# Altium PCB BPBE Module.PcbDoc
Units mil, origin at the board's own origin, x right, y up, seen from the top; angles counter-clockwise.
Board outline 2500 x 2000 mil, 2 copper layers (Top Layer, Bottom Layer); 90 components, 62 nets, 270 pads, 57 vias.
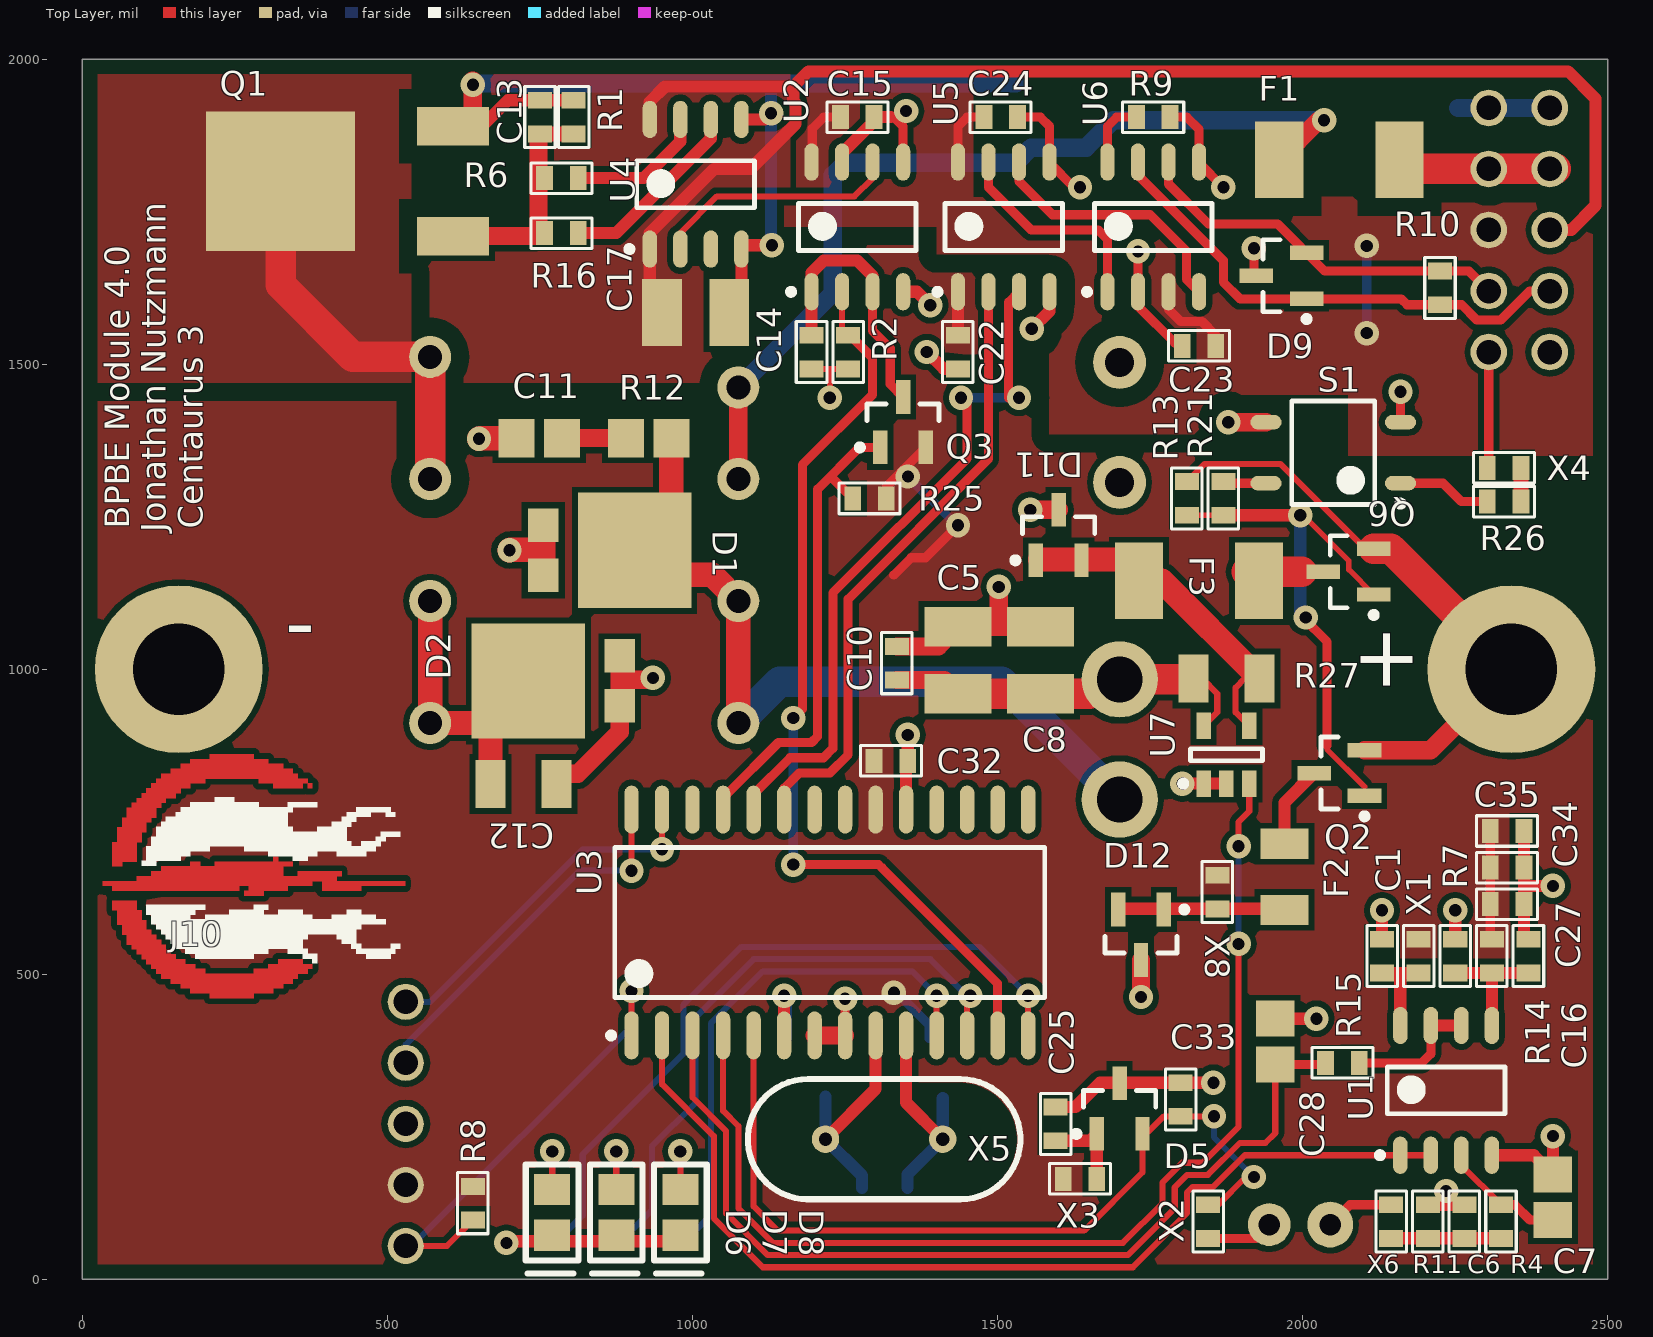
[diagram p0: Top Layer view]
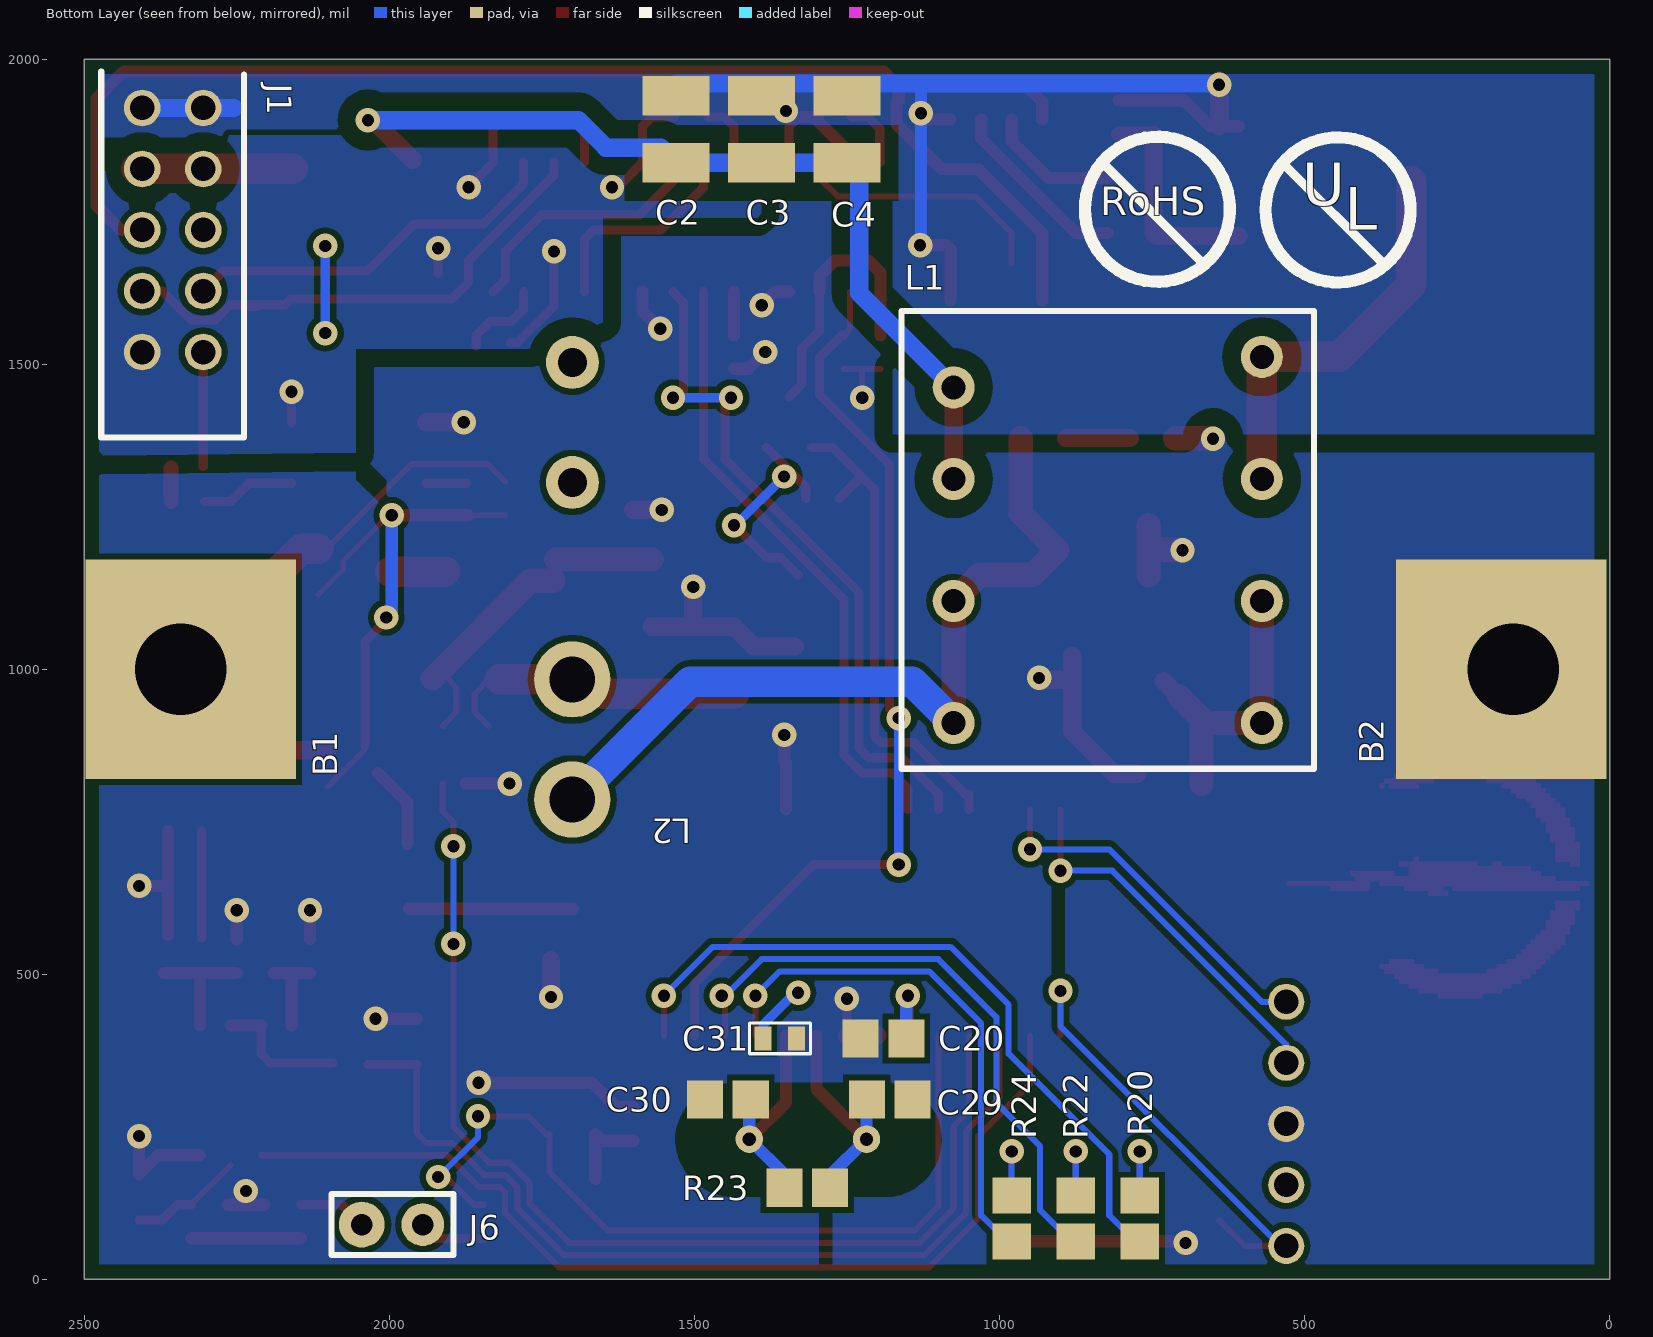
[diagram p1: Bottom Layer view, seen from below]
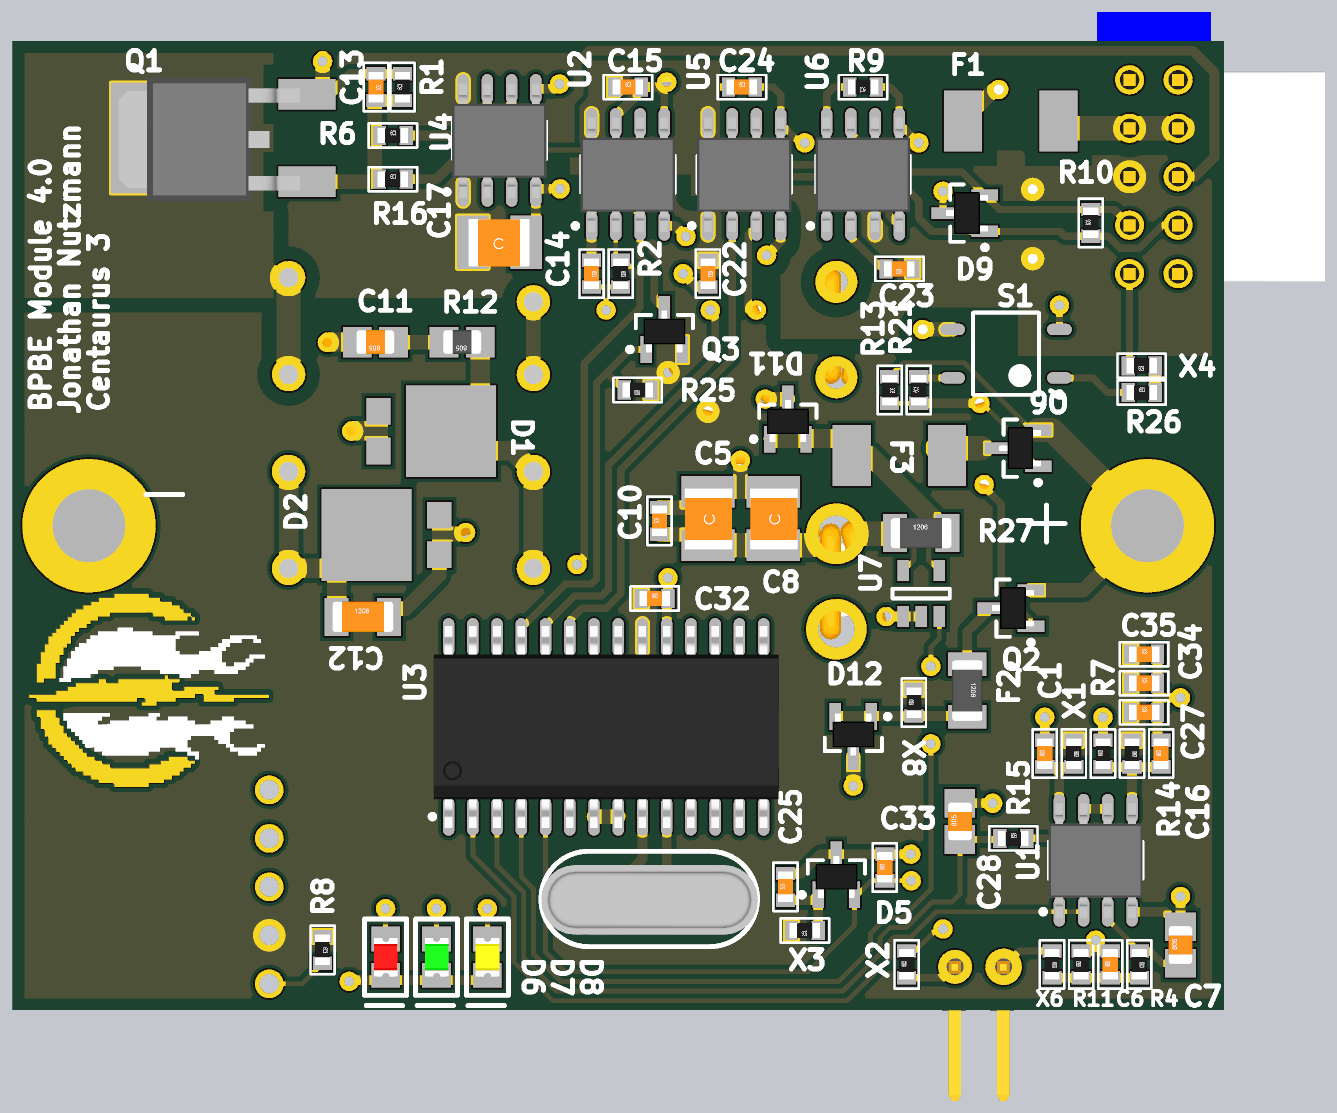
[diagram p2: 3D render of the assembled board from above, using the file's embedded part models]
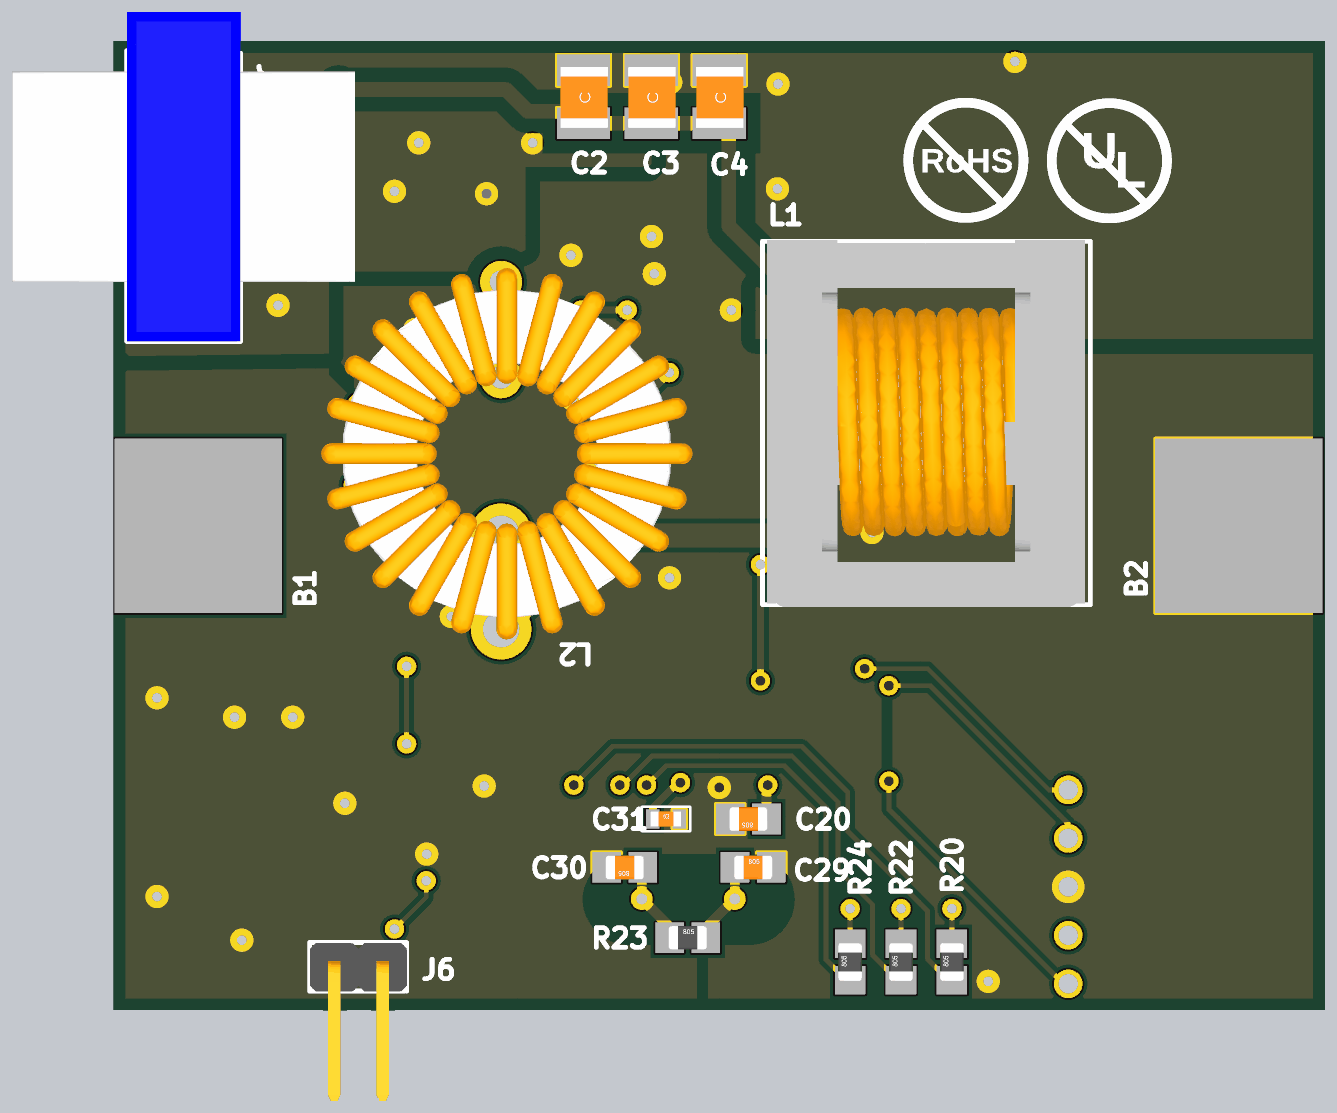
[diagram p3: 3D render of the assembled board from below, using the file's embedded part models]

## Layer stack, top to bottom
Top Layer: signal copper 1.4
Dielectric: dielectric 12.6, FR-4, Dk 4.8
Bottom Layer: signal copper 1.4

## Board outline
0,0 0,2000 2500,2000 2500,0

## Design rules (kind name [scope] priority, off if disabled: settings)
Clearance HV [InNetClass('HV') OR InNet('Vds') vs NOT InNetClass('HV')] p1: gap=30
Clearance "Bus Potential" [InNetClass('BUS_POTENTIAL') vs NOT InNetClass('BUS_POTENTIAL')] p2: gap=30
Clearance Clearance_1 [All] p3: gap=10
Clearance Module [InComponent('HW1')] p4: gap=0
ComponentClearance [All] p1 off: gap=10 collisioncheckmode=3 verticalgap=10 showdistances=FALSE
FabricationTestpoint [(IsPad And (OnTopLayer Or OnBottomLayer))] p1: side=3 testpointundercomponent=TRUE minsize=40 maxsize=100 preferedsize=60 minholesize=0 maxholesize=40 preferedholesize=32 testpointgrid=1 allowsidetop=TRUE allowsidebottom=TRUE usegrid=TRUE gridtolerance=0.01
Height [All] p1 off: minheight=0 maxheight=1000 prefheight=500
HoleSize [All] p1: absolutevalues=TRUE maxlimit=1000 minlimit=1 maxpercent=80.000 minpercent=20.000
MinimumSolderMaskSliver [All] p1 off: minsoldermaskwidth=5
PolygonConnect "poly direct connect" [(InNet('EQ_IN') OR InNet('GND'))] p1: connectstyle=Direct reliefconductorwidth=10 reliefentries=4 polygonreliefangle="90 Angle"
PolygonConnect [All] p2: connectstyle=Direct reliefconductorwidth=15 reliefentries=4 polygonreliefangle="90 Angle"
RoutingVias [All] p1: holewidth=20 width=40 viastyle="Through Hole" minholewidth=20 minwidth=40 maxholewidth=60 maxwidth=75
SilkToSilkClearance [All] p1 off: silktosilkclearance=0
SilkscreenOverComponentPads [All] p1: minsilkscreentomaskgap=2
SolderMaskExpansion [All] p1: expansion=4
Width [All] p1: maxlimit=1000 minlimit=8 preferedwidth=15
21 further rules are at their usual default settings.

## Classes and differential pairs
net class BUS_POTENTIAL: +3.3B +12B +BATT BGND LCANH LCANL MODULEEN NC1 NetC2_1 NetC13_2 NetR6_2 NetR9_2 NetR16_2 NetR26_1 NetR26_2 NetU2_6 NetU4_3 NetU5_6 NetU5_7 PGND VDS
net class HV: +BATT NetC2_1 VDS

## Components (designator, comment, footprint, x,y, rotation, side; value= is the part's Value field where it differs from the comment)
B1 "J_C3_BATTERY_PAD" BatteryPad#1 2325,1000 r0 top
B2 "J_C3_BATTERY_PAD" BatteryPad#2 178,750 r0 top
C1 "CAP 0603" 0603_CAP 2130,530 r90 top
C2 "CAP 1210" 1210_Capacitor 1390,1885 r90 bottom
C3 "CAP CER 0.22UF 250V 20% X7R 1210" 1210_Capacitor 1530,1885 r90 bottom
C4 "CAP 1210" 1210_Capacitor 1250,1885 r90 bottom
C5 "CAP 1210" 1210_Capacitor 1435,1015 r90 top
C6 "CAP 0603" 0603_CAP 2265,95 r90 top
C7 "CAP 0805" 0805_Capacitor 2410,135 r90 top
C8 "CAP 1210" 1210_Capacitor 1570,1015 r90 top
C10 "CAP 0603" 0603_CAP 1335,1010 r90 top
C11 "CAP 1000pF" 0805_Capacitor 749,1379 r180 top
C12 "CAP 1206" 1206_CAPACITOR 723,812 r0 top
C13 "CAP 0603" 0603_CAP 750,1905 r270 top
C14 "CAP 0603" 0603_cap 1195,1520 r270 top
C15 "CAP 0603" 0603_cap 1270,1905 r0 top
C16 "CAP 0603" 0603_CAP 2370,530 r90 top
C17 "CAP 1210" 1210_Capacitor 1005,1585 r0 top
C20 "CAP 0805" 0805_Capacitor 1190,395 r0 bottom
C22 "CAP 0603" 0603_CAP 1435,1520 r270 top
C23 "CAP 0603" 0603_CAP 1830,1530 r180 top
C24 "CAP 0603" 0603_CAP 1505,1905 r0 top
C25 "CAP 0603" 0603_CAP 1595,255 r90 top
C27 "CAP 0603" 0603_CAP 2335,615 r0 top
C28 "CAP 0805" 0805_Capacitor 1955,390 r90 top
C29 "CAP 0805" 0805_Capacitor 1180,295 r180 bottom
C30 "CAP 0805" 0805_Capacitor 1445,295 r0 bottom
C31 "CAP 0603" 0603_CAP 1360,395 r180 bottom
C32 "CAP 0603" 0603_CAP 1325,850 r0 top
C33 "CAP 0603" 0603_CAP 1800,295 r90 top
C34 "CAP 0603" 0603_CAP 2335,675 r0 top
C35 "CAP 0603" 0603_CAP 2335,735 r0 top
D1 "UPS1040E3/TR13" TO-277 905,1195 r270 top
D2 "UPS1040E3/TR13" TO-277 731,981 r90 top
D5 "IC LDO V-REF 2.048V SOT23-3" SOT-23 1700,280 r90 top
D6 "D_LED_0805_RED" 0805P_RED 770,110 r90 top
D7 "D_LED_0805_GREEN" 0805P_Green 875,110 r90 top
D8 "D_LED_0805_YELLOW" 0805P_YELLOW 980,110 r90 top
D9 "CAN TVS" SOT-23 1965,1645 r180 top
D11 "MMBZ6V8AL,215" SOT-23 1600,1220 r90 top
D12 "MMBZ6V8AL,215" SOT-23 1735,565 r270 top
F1 "F_SSQ 12" 2410 2060,1835 r180 top
F2 "250 mA" 1206_RESISTOR 1970,660 r270 top
F3 "F_SSQ 10" 2410 1830,1145 r0 top
J1 "J_5x2_0.1" 10PIN_2_.100IN 2305,1920 r270 bottom
J6 "J_Thermistor_Connector" SIP_HEADER_2 1995,90 r270 bottom
J10 "J_PICKIT2_5" "CONN FEMALE 5POS .100\" R/A GOLD" 530,55 r180 top
L1 "L_PCB1808B1" PCB1808B1 1075,912 r180 bottom
L2 "L_MagInc_55120A2" Magnetics_55120A2 1700,885 r90 bottom
Q1 "IPD600N25N3 G" "DPAK - JN" 325,1800 r0 top
Q2 "IRLML2246TRPBF" SOT-23 2060,830 r180 top
Q3 "IRLML2246TRPBF" SOT-23 1345,1405 r90 top
Q6 "Q_AO3401A" SOT-23 2075,1160 r180 top
R1 "RES 0603" 0603_RES 805,1905 r90 top
R2 "RES 0603" 0603_res 1255,1520 r270 top
R4 "RES 0603" 0603_RES 2325,95 r270 top
R6 "RES 0603" 0603_res 785,1805 r0 top
R7 "RES 0603" 0603_RES 2250,530 r90 top
R8 "RES 0603" 0603_RES 640,125 r270 top
R9 "RES 0603" 0603_RES 1755,1905 r180 top
R10 "RES 0603" 0603_RES 2225,1625 r90 top
R11 "RES 0603" 0603_RES 2205,95 r90 top
R12 "RES 0805" 0805_Resistor 928,1379 r180 top
R13 "RES 0603" 0603_RES 1810,1280 r270 top
R14 "RES 0603" 0603_RES 2310,530 r270 top
R15 "RES 0603" 0603_RES 2065,355 r0 top
R16 "RES 0603" 0603_res 785,1715 r0 top
R20 "R_0805_620_1%" 0805_Resistor 770,100 r90 bottom
R21 "RES 0603" 0603_RES 1870,1280 r90 top
R22 "R_0805_620_1%" 0805_Resistor 875,100 r90 bottom
R23 "RES 0805" 0805_Resistor 1315,150 r180 bottom
R24 "R_0805_620_1%" 0805_Resistor 980,100 r90 bottom
R25 "RES 0603" 0603_RES 1290,1280 r180 top
R26 "RES 0603" 0603_RES 2330,1275 r0 top
R27 "R_0805_0.01_1%" 1206_Resistor 1875,985 r0 top
S1 "CPC1017NTR" CPC1017NTR 2050,1355 r180 top
U1 "IC OP AMP" SOIC127P600X175-8N 2235,310 r90 top
U2 "U_SI8610EC" SOIC127P600X175-8N 1270,1725 r90 top
U3 "PIC18F25K80" SOIC127P1030X265-28N 1225,585 r90 top
U4 "TC4422AVOA" SOIC127P600X175-8N 1005,1795 r90 top
U5 "U_SI8621EC" SOIC127P600X175-8N 1510,1725 r90 top
U6 "U_MAX3051" SOIC127P600X175-8N 1755,1725 r90 top
U7 "U_ MAX9938F" SOT95P280X145-5N 1875,860 r90 top
X1 "0603" 0603_RES 2190,530 r270 top
X2 "0603" 0603_RES 1845,95 r90 top
X3 "0603" 0603_RES 1635,165 r180 top
X4 "0603" 0603_RES 2330,1330 r180 top
X5 "HC49" HC-49 1410,230 r180 top
X6 "0603" 0603_RES 2145,95 r270 top
X8 "0603" 0603_RES 1860,635 r90 top

## Footprints (in the part's own frame and the unit in brackets; to place one, negate y for a bottom-side part, rotate by r counter-clockwise, add the part's x,y. Pads: shape width x height; smd on the part's side, far side on the other; paste and mask are expansions set on the pad)
10PIN_2_.100IN [mil]
  round 60 hole 40.16: 1(0,0) 2(0,-100) 3(100,0) 4(100,-100) 5(200,0) 6(200,-100) 7(300,0) 8(300,-100) 9(400,0) 10(400,-100)
  silkscreen extent -60,-167 540,67, body extent -140,-403 540,303, height 513
0603_CAP [mm]
  rect 0.7x1 smd: 1(-0.7,0) 2(0.7,0)
  silkscreen extent -1.27,-0.64 1.27,0.64, body extent -0.8,-0.4 0.8,0.4, height 0.3
0603_cap [mm]
  rect 0.7x1 smd: 1(-0.7,0) 2(0.7,0)
  silkscreen extent -1.27,-0.64 1.27,0.64, body extent -0.8,-0.4 0.8,0.4, height 0.3
0603_RES [mm]
  rect 0.7x1 smd: 1(-0.7,0) 2(0.7,0)
  silkscreen extent -1.27,-0.64 1.27,0.64, body extent -0.8,-0.4 0.8,0.4, height 0.3
0603_res [mm]
  rect 0.7x1 smd: 1(-0.7,0) 2(0.7,0)
  silkscreen extent -1.27,-0.64 1.27,0.64, body extent -0.8,-0.4 0.8,0.4, height 0.3
0805_Capacitor [mm] "0805 Capacitor"
  rect 1.5x1.6 smd: 1(-0.95,0) 2(0.95,0)
  body extent -1,-0.63 1,0.62, height 0.76
0805_Resistor [mm] "0805 Resistor"
  rect 1.5x1.6 smd: 1(-0.95,0) 2(0.95,0)
  body extent -1,-0.62 1,0.63, height 0.78
0805P_Green [mm] "Chip Capacitor; Body 2.0 x 1.2 mm (LxW typ)"
  rect 1.3x1.5 smd: 1(-0.95,0) 2(0.95,0)
  silkscreen extent -2.54,-1.1 2,1.1, body extent -1.02,-0.64 0.99,0.61, height 0.79
0805P_RED [mm] "Chip Capacitor; Body 2.0 x 1.2 mm (LxW typ)"
  rect 1.3x1.5 smd: 1(-0.95,0) 2(0.95,0)
  silkscreen extent -2.54,-1.1 2,1.1, body extent -1.02,-0.64 0.99,0.61, height 0.79
0805P_YELLOW [mm] "Chip Capacitor; Body 2.0 x 1.2 mm (LxW typ)"
  rect 1.3x1.5 smd: 1(-0.95,0) 2(0.95,0)
  silkscreen extent -2.54,-1.1 2,1.1, body extent -1.02,-0.64 0.99,0.61, height 0.79
1206_CAPACITOR [mm] "1206 Resistor/Capacitor"
  rect 1.25x2 smd: 1(-1.375,0) 2(1.375,0)
  body extent -1.6,-0.8 1.6,0.8, height 1
1206_RESISTOR [mm] "1206 Resistor/Capacitor"
  rect 1.25x2 smd: 1(-1.375,0) 2(1.375,0)
  body extent -1.6,-0.8 1.6,0.8, height 1
1206_Resistor [mm] "1206 Resistor/Capacitor"
  rect 1.25x2 smd: 1(-1.375,0) 2(1.375,0)
  body extent -1.6,-0.8 1.6,0.8, height 1
1210_Capacitor [mil] "1210 Capacitor"
  rect 65x110 smd: 1(-55,0) 2(55,0)
  body extent -84,-54 82,52, height 36
2410 [mm]
  rect 2x3.18 smd: 1(-2.5,0) 2(2.5,0)
BatteryPad#1 [mil]
  rect 345x360 smd far side: 1(0,0)
BatteryPad#2 [mil]
  rect 345x360 smd far side: 1(0,250)
"CONN FEMALE 5POS .100\" R/A GOLD" [mm] "PICKIT2 Programmer Header"
  round 1.5 hole 1.02: +5(0,-2.54) GND(0,-5.08) PGC(0,-10.16) PGD(0,-7.62) RST(0,0)
  body extent 1.6,-11.7 10.1,1.5, height 2.54
CPC1017NTR [mm] "SOP, 4-Leads, Body 4.3x3.9mm (max), Pitch 2.54mm, IPC Medium Density"
  oval 1.3x0.6 smd: 1(-2.8,1.27) 2(-2.8,-1.27) 3(2.8,-1.27) 4(2.8,1.27)
  silkscreen extent -2.93,-2.15 1.73,2.24, body extent -1.94,-2.14 1.94,2.14, height 2.18
"DPAK - JN" [mm]
  rect 3x1.6 smd: 1(7.18,-2.285) 3(7.18,2.285)
  rect 6.2x5.8 smd: 2(0,0)
  body extent -2.69,-3.33 6.81,3.17, height 2.3
HC-49 [mil]
  round 45 hole 22: 1(0,0) 2(192.13,0)
  Top Layer pour cut-out: -102,59 -94,68 -88,73 -78,81 -68,86 -57,91 -42,94 -31,95 227,95 243,92 259,87 272,80 285,70 299,54 309,36 314,21 316,5 316,-7 313,-22 306,-39 298,-53 283,-70 270,-79 251,-88 237,-91 220,-93 -27,-93 -40,-92 -50,-90 -59.13,-87.26 -69,-83 -79,-78 -87,-72 -96,-63 -104,-53 -113,-40 -118,-26 -121,-11 -122,1 -121,13 -119,23 -116,35 -111,44 -107,51
  Bottom Layer pour cut-out: 296,59 288,68 282,73 272,81 262,86 251,91 236,94 225,95 -33,95 -49,92 -65,87 -78,80 -91,70 -105,54 -115,36 -120,21 -122,5 -122,-7 -119,-22 -112,-39 -104,-53 -89,-70 -76,-79 -57,-88 -43,-91 -26,-93 221,-93 234,-92 244,-90 253.13,-87.26 263,-83 273,-78 281,-72 290,-63 298,-53 307,-40 312,-26 315,-11 316,1 315,13 313,23 310,35 305,44 301,51
  silkscreen extent -127,-98 319,98, body extent -128,-70 319,74, height 130
Magnetics_55120A2 [mm]
  round 2.2 hole 1.2: 0(10.7,0) 0(15.7,0)
  round 3.175 hole 1.905: 1(-2.5,0) 2(2.5,0)
  body extent -3.03,-10.03 16.43,9.43, height 9.51
PCB1808B1 [mm]
  round 1.75 hole 1: 1(0,13.97) 2(0,10.16) 3(0,5.08) 4(0,0) 5(12.83,0) 6(12.83,5.08) 7(12.83,10.16) 8(12.83,15.24)
  silkscreen extent -2.17,-1.91 15,17.14, body extent -1.93,-2.04 14.73,17.2, height 15.89
SIP_HEADER_2 [mil] "2 Pin SIP Header"
  round 70 hole 35: 1(0,50)
  round 75 hole 35: 2(0,-50)
  silkscreen extent -50,-100 50,100, body extent -49,-99 277,101, height 170
SOIC127P600X175-8N [mm] "SOIC, 8-Leads, Body 4.9x3.9mm (max), Pitch 1.27mm, IPC Medium Density"
  oval 1.55x0.6 smd: 1(-2.7,1.905) 2(-2.7,0.635) 3(-2.7,-0.635) 4(-2.7,-1.905) 5(2.7,-1.905) 6(2.7,-0.635) 7(2.7,0.635) 8(2.7,1.905)
  silkscreen extent -2.82,-2.45 0.97,2.88, body extent -3.02,-2.46 2.98,2.48, height 1.55
SOIC127P1030X265-28N [mm] "SOIC, 28-Leads, Body 17.9x7.5mm (max), Pitch 1.27mm, IPC Medium Density"
  oval 2x0.6 smd: 1(-4.7,8.255) 2(-4.7,6.985) 3(-4.7,5.715) 4(-4.7,4.445) 5(-4.7,3.175) 6(-4.7,1.905) 7(-4.7,0.635) 8(-4.7,-0.635) 9(-4.7,-1.905) 10(-4.7,-3.175) 11(-4.7,-4.445) 12(-4.7,-5.715) 13(-4.7,-6.985) 14(-4.7,-8.255) 15(4.7,-8.255) 16(4.7,-6.985) 17(4.7,-5.715) 18(4.7,-4.445) 19(4.7,-3.175) 20(4.7,-1.905) 21(4.7,-0.635) 22(4.7,0.635) 23(4.7,1.905) 24(4.7,3.175) 25(4.7,4.445) 26(4.7,5.715) 27(4.7,6.985) 28(4.7,8.255)
  silkscreen extent -4.82,-8.95 3.13,9.23, body extent -5.3,-9.05 5.3,9.05, height 2.57
SOT95P280X145-5N [mm] "SOT23, 5-Leads, Body 3.0x3.0mm (max), Pitch 0.95mm, IPC Medium Density"
  rect 1.1x0.6 smd: 1(-1.2,0.95) 2(-1.2,0) 3(-1.2,-0.95) 4(1.2,-0.95) 5(1.2,0.95)
  silkscreen extent -1.32,-1.5 0.25,1.92, body extent -0.87,-1.5 0.87,1.5, height 1.45
SOT-23 [mm] "SOT23, 3-Leads, Body 3.0x2.7mm (max), Pitch 0.95mm, IPC Medium Density"
  rect 1.4x0.6 smd: 1(-1.05,0.95) 2(-1.05,-0.95) 3(1.05,0)
  silkscreen extent -1.17,-1.5 0.76,1.92, body extent -1.21,-1.1 0.99,1.1, height 1.1
TO-277 [mm]
  rect 1.4x1.27 smd: 1(1.04,-3.805) 2(-1.04,-3.805)
  rect 4.8x4.72 smd: K(0,0)

## Part data
C1 C6 C10 C14 C15 C16 C22 C23 C24 C31 C32 C33 C34 C35: library part C_0603, "CAP CER 0.1UF 50V 10% X7R 0603"
C2 C4: library part C_1210, "CAP CER 0.22UF 250V 20% X7R 1210"
C3: library part C_1210
C5 C8: library part C_1210, "CAP CER 22UF 10V 10% X7R 1210"
C7 C20 C28: library part C_0805, "CAP CER 10UF 10V 10% X5R 0805"
C11: library part C_0805_1000pF, "CAP CER 1000PF 50V 10% NP0 0805"
C12: library part C_1206, "CAP CERM 1206"
C13: library part C_0603, "CAP CER 10000PF 50V 10% X7R 0603"
C17: library part C_1210, "CAP CER 10UF 16V 10% X5R 1210"
C25 C27: library part C_0603, "CAP CER 1UF 16V 10% X7R 0603"
C29 C30: library part C_0805, "CAP CER 22PF 50V 5% NP0 0805"
D1 D2: library part D_UPS1040E3/TR13, "DIODE SCHOTTKY 10A 40V PWRMITE3"
D5: library part D_REF3320AIDBZT
D6: "LED 2X1.2MM 625NM RD WTR CLR SMD 0805"
D7: "LED 2X1.2MM 568NM GN WTR CLR SMD 0805"
D8: "LED 2X1.2MM 588NM YW WTR CLR SMD 0805"
D9: library part D_NUP2105, "IC CAN BUS PROTECTOR DUAL SOT23"
D11 D12: library part D_MMBZ6V8AL,215, "DIODE ESD PROT DBL 4.5V SOT23"
F1: "FUSE 2.5A 125V FAST 2410"
F2: library part F_250mA_1206, "FUSE 250MA 125V 1206 FAST C1Q"
F3: library part "F_SSQ 12", "FUSE 10A 125V 6125 FAST SSQ"
J1: "5 x 2 0.1\" Header"
J6: "Thermistor Connector"
J10: "PICKIT2 PROG HEADER"
L1: "10:1 Custom Transformer"
L2: "55120A2"
Q1: library part "Q_IPD600N25N3 G", "MOSFET N-CH 250V 25A TO252-3"
Q2 Q3: library part Q_FDN302P, "MOSFET P-CH 20V 2.6A SOT23"
Q6: "MOSFET P-CH -30V -4.3A SOT23"
R1 R2: library part R_0603, "RESISTOR, 1/10W, 30K, 1%, 0603"
R4 R8 R9 R15: library part R_0603, "RESISTOR, 1/10W, 10K, 1%, 0603"
R6 R16: library part R_0603, "RESISTOR, 1/10W, 1, 1%, 0603"
R7: library part R_0603, "RESISTOR, 1/10W, 200K, 0.1%, 0603"
R10: library part R_0603, "RESISTOR, 1/10W, 3.3K, 1%, 0603"
R11: library part R_0603, "RESISTOR, 1/10W, 8.2K, 1%, 0603"
R12: library part R_0805, "RESISTOR, 1/8W, 47, 1%, 0805"
R13: library part R_0603, "RESISTOR, 1/10W, 500K, 1%, 0603"
R14: library part R_0603, "RESISTOR, 1/10W, 240K, 0.1%, 0603"
R20 R22 R24: "RESISTOR, 1/8W, 620, 1%, 0805"
R21: library part R_0603, "RESISTOR, 1/10W, 1K, 1%, 0603"
R23: library part R_0805, "RESISTOR, 1/8W, 1M, 1%, 0805"
R25: library part R_0603, "RESISTOR, 1/10W, 100K, 1%, 0603"
R26: library part R_0603, "RESISTOR, 1/10W, 80, 1%, 0603"
R27: "RES CURRENT SENSE .010 OHM 1W 1%"
S1: library part U_CPC1017NTR, "PHOTOCPLR RELAY MOSFET-OUT 4-SOP"
U1: library part U_MCP6042T-I/SN, "IC OPAMP 1UA 1.4V DUAL R-R 8SOIC"
U2: "IC ISOLATOR 1CH 3.75KV 8-SOIC"
U3: library part U_PIC18F25K80, "MCU PIC 32KB FLASH 28SOIC"
U4: library part U_TC4422AVOA, "IC MOSFET DVR 9A NON-INV 8SOIC"
U5: "IC ISOLATOR 2CH 3.75KV 8SOIC"
U6: "IC TXRX CAN 1MBPS 8-SOIC 3.3V"
U7: "IC AMP CURRENT SENSE SOT23-5"
X1 X2 X3 X4 X6 X8: library part X_0603_FERRITE, "FERRITE CHIP 2A 300 OHM SMD"
X5: library part X_HC49, "CRYSTAL 8.00 MHZ 20PF 49US"

## Free pads (board coordinates)
  round 275 hole 150: 0(157.99,1000) 1(2342.01,1000)

## Via types
v1: diameter 40, hole 20, Top Layer to Bottom Layer, 57 vias

## Nets (pads, with @x,y where several pads share a name; then routed paths per layer and width w, separated by ;. In a path a pad name is that pad's centre, name@x,y a point inside that pad or via, vN(x,y) a via of type N, cw(c..) or ccw(c..) an arc to the next point about the centre after c; other vN are vias at no path point)
+2.048: C33.1 D5.2 U3.5 X2.2 | length 1391.1
  Top Layer w10: U3.5 1100,119.85 1139.85,80 1641.72,80 1737.4,175.69 D5.2 1743.66,238.66 1772.44,267.44 C33.1 v1(1854.56,267.44) ; X2.2 1861.56,122.56 1907,168 v1(1920,168) v1@1920,173
  Bottom Layer w10: v1(1854.56,267.44) 1854.56,233.44 v1(1920,168)
+3.3B: C15.1 C23.1 C24.1 J1.5 U2.8 U5.8 U6.3 | length 502.1
  Top Layer w15: U2.8 1196.2,1832.5 1196.2,1886.2 1215,1905 C15.1 ; U5.8 1435,1890 1450,1905 C24.1 ; U6.3 1780,1590 1800,1570 1835,1570 1857.56,1547.44 C23.1 ; v1@2105,1693 v1(2105,1694)
  Bottom Layer w15: v1(2105,1551) v1(2105,1694)
+12B: C17.1 J1.6 U4.1 U4.8 | length 2370.2
  Top Layer w20: C17.1@930,1605 U4.1 930,1715 1035,1820 1095,1820 1168.7,1893.7 1168.7,1927.87 1165,1931.57 1165,1955 ; U4.8 930,1930 955,1955 1165,1955 ; J1.6 2440,1720 2480,1760 2480,1935 2435,1980 1190,1980 1165,1955
+BATT: F1.1 J1.3 J1.4 | length 271.6
  Top Layer w50: F1.1@2158.43,1820 J1.3@2330,1820 ; J1.3@2315,1820 J1.4@2415,1820
BGND: C23.2 C24.2 D9.3 J1.10 R9.1 S1.2 U5.5 U6.2 U6.5 | length 619.6
  Top Layer w15: C24.2 1570,1905 1585,1890 U5.5 1585,1830 v1@1625,1790 ; v1(1730,1685) U6.2 1730,1595 1790,1535 C23.2@1802.44,1535 ; R9.1 1810,1905 1830,1885 U6.5 ; U6.5@1830,1830 v1(1870,1790) ; D9.3@1920,1648.66 v1(1920,1690) ; S1.2 v1(2160.24,1454.76)
  other v1: 1635,1790
CELLT: U1.1 U1.2 U3.2 | length 1639.2
  Top Layer w10: U3.2 950,320 1035,235 1035,100 1115,20 1721.57,20 1810.31,108.75 1810.31,142.55 1819.1,151.34 1852.91,151.34 1905.27,203.7 U1.1 U1.2
CELLV: C28.1 R15.1 U3.3 | length 1538
  Top Layer w10: U3.3 1000,298.28 1055,243.28 1055,108.28 1123.28,40 1713.28,40 1790.31,117.03 1790.31,150.84 1810.82,171.34 1844.62,171.34 1896.99,223.7 1938.7,223.7 1955,240 C28.1
  Top Layer w15: C28.1 R15.1@2035.04,352.6
EQ_IN: C5.1 C8.1 C10.1 L2.2 R27.1 U7.5 | length 614.8
  Top Layer w10: R27.1 1835,985 1860,960 1860,929.65 U7.5
  Top Layer w30: C10.1 1412.56,982.44 C5.1
  Top Layer w50: C5.1 C8.1 1650,960 1673.43,983.43 L2.2 R27.1@1819.29,983.43
EQ_PWM: R2.1 U2.2 U3.13 | length 1508.8
  Top Layer w10: U2.2 1245,1557.56 R2.1
  Top Layer w15: v1(1165,680) 1305,680 ; v1(1165,920) 1180,935 1180,1335 1295,1450 1295,1510.65 1258.1,1547.56 R2.1 ; 1310,675 1500,485 U3.13
  Bottom Layer w15: v1(1165,680) v1(1165,920)
EQL_CURR: U3.4 U7.3 | length 1805.6
  Top Layer w10: U3.4 1050,276.57 1075,251.57 1075,116.57 1131.57,60 1705,60 1770.31,125.31 1770.31,159.12 1802.53,191.34 1836.34,191.34 1895,250 v1(1895,550) ; v1(1895,710) 1895,750 1912.4,767.4 U7.3
  Bottom Layer w10: v1(1895,550) v1(1895,710)
GND: B2.1 C1.2 C5.2 C6.2 C7.2 C8.2 C10.2 C11.2 C12.2 C14.2 C16.2 C20.2 C22.2 C25.2 C27.2 C28.2 C29.2 C30.2 C31.2 C32.2 C33.2 C34.2 C35.2 D1.1 D1.2 D2.1 D2.2 D5.3 D6.1 D7.1 D8.1 D11.3 D12.3 J10.GND pad.0 R2.2 R7.2 R11.2 S1.3 U1.4 U2.4 U3.7 U3.8 U3.19 U5.4 U7.1 U7.2 | length 2722
  Top Layer w10: C14.2 1225,1492.44 ; v1@1225,1450 1225,1492.44 ; R2.2 1225,1492.44
  Top Layer w15: U3.8 v1(1250,460)
  Top Layer w20: v1(695,60) 697.6,62.6 D8.1@980,62.6 ; U2.4 1367.7,1618.7 v1(1389.7,1596.7) ; U3.19 C32.2@1350,847.44 ; C32.2 v1(1352.56,892.56) ; v1(1384,1520) 1411.56,1492.44 C22.2 ; v1(1556,1558) 1585,1587 U5.4 ; C25.2@1600,282.56 1627.56,282.56 1667.56,322.56 C33.2 v1@1842.56,322.56 ; v1(1802.76,812.76) U7.1 U7.2 ; C28.2 v1(2022.4,427.4) ; C1.2 v1@2130,600 ; R11.2 C6.2 ; R7.2 v1@2250,600 ; U1.4 2378.7,203.7 C7.2 v1@2410,230 ; C16.2@2362.56,565 C27.2 2362.56,645 ; C35.2 C34.2 2362.56,645 ; v1@2405,645 2362.56,645
  Top Layer w30: C12.2@774,829 812,829 880.8,897.8 D2.2 880.8,983 ; D2.1 880.8,983 ; v1(935,986) 932,983 880.8,983 ; U3.7 U3.8 ; C10.2 1402.56,1037.56 C5.2 1502,1070 ; v1(1502,1135) 1502,1070 ; v1@1557.34,1261.34 D11.3 ; C8.2 1502,1070 ; v1@1735,468 D12.3 ; v1(1878,1405) S1.3
  Top Layer w40: v1(650,1378) 651,1379 C11.2 ; v1(700,1195) 701,1196 755.2,1196 ; D1.1 755.2,1196 ; D1.2 755.2,1196
  other v1: 2235,145 2410,235 1853.56,322.56 1735,463 2130,605 2250,605 2410,645 1553.34,1261.34 1225,1445
ISO_VCC_EQL_ON: Q3.1 R25.2 U3.25 | length 805.8
  Top Layer w15: U3.25 1050,795.36 1056.3,795.36 1140.95,880 1195,880 1205,890 1205,1295 1273.66,1363.66 Q3.1 ; 1226.88,1315.56 R25.2
LCANH: D9.1 J1.8 R10.1 U6.7 | length 850.1
  Top Layer w15: U6.7 1730,1810 1870,1670 1870,1634.54 1897.54,1607 2161.5,1607 2171.06,1597.44 R10.1 2260.38,1597.44 2285.32,1572.5 2324.68,1572.5 2372.18,1620 J1.8 ; R10.1@2215,1595 R10.1@2230,1595
LCANL: D9.2 J1.7 R10.2 U6.6 | length 633.6
  Top Layer w15: U6.6 1780,1795.36 1845.36,1730 1958.74,1730 2036.18,1652.56 R10.2 2272.44,1652.56 J1.7
LED_G: R22.1 U3.12 | length 997.4
  Top Layer w10: U3.12 v1@1450,465
  Bottom Layer w10: R22.1@882.43,62.6 933.5,113.67 933.5,218.14 1005,289.64 1005,430 1100,525 1389.5,525 1449.5,465 v1(1455,465)
LED_R: R20.1 U3.14 | length 1183.3
  Top Layer w10: U3.14 v1(1550,465)
  Bottom Layer w10: R20.1 777.43,62.6 820,105.16 820,205 985,370 985,450 1080,545 1470,545 v1(1550,465)
LED_Y: R24.1 U3.11 | length 861.6
  Top Layer w10: U3.11 v1(1400,465)
  Bottom Layer w10: R24.1@987.43,62.6 1030,105.16 1030,419.64 1115.36,505 1360,505 v1(1400,465)
M\C\L\R\: J10.RST R8.2 U3.1 | length 771.7
  Top Layer w10: J10.RST 597.56,55 R8.2 ; U3.1 v1@900,470
  Bottom Layer w10: J10.RST 540,55 900,415 v1@900,470
  other v1: 900,473
MODULEEN: J1.9 X4.2 | length 187.4
  Top Layer w15: X4.2@2305,1332.56 J1.9
NC1: U4.3
NetB1_1: B1.1 pad.1 Q2.2 Q6.2 R13.1 | length 978.8
  Top Layer w10: R13.1 1838.78,1336.34 1963.66,1336.34 2102.6,1197.4 Q6.2
  Top Layer w30: Q2.2 2209.41,867.4 pad.1
  Top Layer w50: Q6.2 2144.6,1197.4 pad.1
NetC1_1: C1.1 U1.8 X1.2 | length 146.1
  Top Layer w20: C1.1 2160,502.44 ; U1.8 2160,502.44 ; X1.2 2160,502.44
NetC2_1: C2.1 C3.1 C4.1 F1.2 L1.1 L1.2 | length 1496.4
  Top Layer w30: L1.2 L1.1 ; F1.2 v1@2026.57,1900
  Bottom Layer w30: L1.1 1230,1617 1230,1810 C4.1 C2.1 C3.1 1555,1855 1645,1855 1690,1900 v1(2035,1900)
NetC6_1: C6.1 R4.2 R11.1 X6.2 | length 180
  Top Layer w20: X6.2 R11.1 C6.1 R4.2
NetC7_1: C7.1 R4.1 U1.3 | length 187.3
  Top Layer w10: U1.3@2260,187.56 R4.1
  Top Layer w15: R4.1 2347.44,122.56 2372.4,97.6 C7.1
NetC11_1: C11.1 R12.2 | length 104.2
  Top Layer w30: C11.1 R12.2
NetC12_1: C12.1 D2.K L1.5 L1.6 | length 482.8
  Top Layer w30: D2.K@705.44,955.44 D2.K
  Top Layer w40: L1.6 L1.5 662,912 D2.K@705.44,955.44 ; C12.1 D2.K@668.87,905.13
NetC13_2: C13.2 Q1.1 R1.1 R6.1 R16.1 | length 353.4
  Top Layer w25: C13.2@747.6,1875.04 C13.2 R1.1
  Top Layer w30: Q1.1 742.64,1710.04 ; R16.1@747.6,1715 747.6,1805 C13.2@747.6,1875.04
NetC16_1: C16.1 R7.1 R14.2 U1.5 | length 206.1
  Top Layer w20: R7.1 R14.2 ; U1.5 R14.2 ; C16.1 R14.2
NetC20_1: C20.1 U3.6 | length 136.1
  Top Layer w20: U3.6 v1(1150,465)
  Bottom Layer w10: v1(1150,465) v1@1152.6,462.4
  Bottom Layer w20: C20.1 v1@1152.6,462.4
NetC25_1: C25.1 D5.1 X3.1 | length 140.9
  Top Layer w20: C25.1@1600,227.44 1651.38,227.44 D5.1 ; X3.1 D5.1@1662.56,238.62
NetD1_K: D1.K L1.3 L1.4 L2.1 R12.1 | length 1346.7
  Top Layer w40: R12.1 965.4,1255.4 D1.K 945,1155 1032,1155 L1.3 L1.4
  Bottom Layer w50: L1.4 1143,980 1506.57,980 L2.1
NetD6_2: D6.2 R20.2 | length 145.2
  Top Layer w10: D6.2@770,137.4 v1(770,210)
  Bottom Layer w10: R20.2 v1(770,210)
NetD7_2: D7.2 R22.2 | length 159.3
  Top Layer w10: D7.2@875,137.4 D7.2 D7.2@875,150 ; v1(875,210) D7.2@875,150 ; D7.2@885,160 D7.2@875,150
  Bottom Layer w10: R22.2 v1(875,210)
NetD8_2: D8.2 R24.2 | length 145.2
  Top Layer w10: D8.2@980,137.4 D8.2 v1(980,210)
  Bottom Layer w10: R24.2 v1(980,210)
NetD11_1: D11.1 D11.2 F3.1 R27.2 U7.4 | length 537.8
  Top Layer w10: U7.4 1890,929.65 1890,970 1905,985 R27.2
  Top Layer w40: D11.1@1570,1180 F3.1@1726.57,1180 ; F3.1 1769.13,1145 R27.2
NetD12_1: D12.1 D12.2 F2.2 X8.1 | length 269.7
  Top Layer w20: D12.2@1698.7,607.44 X8.1 F2.2@1968.43,607.44
NetF2_1: F2.1 Q2.3 | length 136
  Top Layer w20: F2.1 1970,781.34 Q2.3
NetF3_2: F3.2 Q6.3 | length 90.2
  Top Layer w50: F3.2@1908.43,1160 1998.66,1160
NetJ6_1: J6.1 X2.1 | length 77.4
  Top Layer w15: X2.1 J6.1@1922.44,67.44
NetJ6_2: J6.2 X6.1 | length 113.5
  Top Layer w15: J6.2 2077.56,122.56 X6.1
NetQ2_1: Q2.1 Q6.1 R13.2 R21.1 | length 861
  Top Layer w9: R13.2 R21.1 ; v1(1996.1,1252.44) 2001.1,1252.44 2075.72,1177.82 2075.72,1163.22 Q6.1 ; 2040,875 2040,868.86 2101.34,807.53
  Top Layer w15: v1@2000,1085 2040,1045 2040,875
  Top Layer w20: R21.1 v1(1996.1,1252.44)
  Bottom Layer w9: v1@1996.1,1083.9 1997.19,1085 v1@2000,1085
  Bottom Layer w20: v1@1996.1,1083.9 v1(1996.1,1252.44)
  other v1: 2005,1085
NetR6_2: R6.2 U4.7 | length 218.8
  Top Layer w20: R6.2@822.4,1805 920,1805 980,1865 U4.7
NetR9_2: R9.2 U6.8 | length 112.4
  Top Layer w15: U6.8 1680,1890 1695,1905 R9.2
NetR15_2: R15.2 U1.6 U1.7 | length 220
  Top Layer w15: R15.2 2195,355 2210,370 U1.7
  Top Layer w20: U1.7 U1.6
NetR16_2: R16.2 U4.6 | length 303.1
  Top Layer w20: R16.2@822.4,1715 875,1715 1030,1870 U4.6
NetR21_2: R21.2 S1.4 | length 67.2
  Top Layer w15: R21.2@1872.56,1305 S1.4
NetR26_1: R26.1 S1.1 | length 154.6
  Top Layer w15: S1.1 2230,1305 2260,1275 R26.1
NetR26_2: R26.2 X4.1 | length 55
  Top Layer w25: R26.2 X4.1
NetU2_6: U2.6 U4.2 | length 428.6
  Top Layer w10: U4.2@980,1665 U4.2 980,1715 1040,1775 1265,1775 1295,1805 U2.6
NetU5_6: U5.6 U6.4 | length 428.5
  Top Layer w15: U5.6 1535,1800 1590,1745 1750,1745 1809.31,1685.69 1809.31,1639.39 U6.4
NetU5_7: U5.7 U6.1 | length 357.8
  Top Layer w15: U5.7 1485,1790 1555,1720 1665,1720 1680,1705 U6.1
OSC1: C29.1 R23.2 U3.9 X5.2 | length 378.2
  Top Layer w20: X5.2 1300,312.13 U3.9
  Bottom Layer w20: C29.1@1217.87,299.53 X5.2 1277.6,170.28 R23.2
OSC2: C30.1 R23.1 U3.10 X5.1 | length 366.3
  Top Layer w20: U3.10 1350,290 X5.1
  Bottom Layer w20: R23.1 1352.4,172.4 X5.1 C30.1@1410,297.6
PGC: J10.PGC U3.27 | length 588.6
  Top Layer w10: v1(950,705) U3.27
  Bottom Layer w10: J10.PGC 570,455 820,705 v1(950,705)
PGD: J10.PGD U3.28 | length 588.1
  Top Layer w10: v1(900,670) U3.28
  Bottom Layer w10: 530,385 815,670 v1(900,670)
PGND: C2.2 C3.2 C4.2 C13.1 C15.2 C17.2 J1.1 J1.2 Q1.3 R1.2 U2.5 U2.7 U4.4 U4.5 | length 2024.8
  Top Layer w15: C15.2 1330,1905 1345,1890 U2.5
  Top Layer w20: Q1.3 640,1889.96 654.96,1889.96 660,1895 697.56,1932.56 C13.1 R1.2 ; C17.2@1080,1605 U4.4 ; U4.5 1118.7,1901.3 v1(1128.7,1911.3) ; U4.4@1086.3,1695 v1(1130,1695) ; U2.7 1245,1845.81 1297.56,1898.37 C15.2 1325,1905
  Top Layer w30: Q1.3@640,1889.96 v1@640,1965
  Bottom Layer w20: 1128.7,1963.7 v1(1128.7,1911.3) 1128.7,1696.3 v1(1130,1695)
  Bottom Layer w30: v1@640,1960 C3.2@1530,1960 ; 2255,1920 J1.1 J1.2@2415,1920
  other v1: 1350,1915 640,1958
RX: U3.24 U5.3 | length 1131.8
  Top Layer w15: U3.24 1100,795 1160,855 1214.64,855 1230,870.36 1230,1125.36 1450,1345.36 1450,1435 v1(1440,1445) ; v1@1518,1445 1518,1601.7 U5.3
  Bottom Layer w15: v1(1440,1445) v1(1535,1445)
TX: U3.23 U5.2 | length 1016.7
  Top Layer w15: U3.23 1150,805 1175,830 1225,830 1255,860 1255,1115 1485,1345 U5.2
VCC: C22.1 C27.1 C31.1 C32.1 C34.1 C35.1 J10.+5 Q3.2 R8.1 R14.1 R25.1 U3.20 U5.1 X1.1 X3.2 X8.2 | length 713.4
  Top Layer w15: R25.1 1317.56,1298.82 Q3.2 ; 1329.68,1154.32 1358.18,1182.82 1381.82,1182.82 v1(1435,1236) ; R14.1@2307.44,560.12 C27.1 C34.1 C35.1
  Top Layer w20: C22.1 U5.1
  Bottom Layer w15: v1(1330,470) 1335,470 1387.56,417.44 C31.1 ; v1(1353,1316) 1434,1235 v1(1435,1236)
VCC_EQL: C14.1 Q3.3 U2.1 U2.3 | length 440.5
  Top Layer w15: U2.3 1295,1555 1324,1526 1324,1467.34 Q3.3
  Top Layer w20: C14.1 U2.1 1195,1650 1215,1670 1270,1670 1295,1645 U2.3
VDS: L1.7 L1.8 Q1.2 | length 663.7
  Top Layer w50: Q1.2 325,1630.12 443.12,1512 L1.8 L1.7
pads on no net: L2.0 U3.15 U3.16 U3.17 U3.18 U3.21 U3.22 U3.26

## Polygon pours and split planes (outlines as drawn)
VDS on Top Layer "Bottom Layer-No Net" (solid, remove dead copper, pour order 8): 25,1975 539,1975 539,1470 25,1470
+12B on Top Layer "12b" (solid, remove dead copper, pour order 1000): 539,1975 1160,1975 1160,1471 1159,1470 539,1470
VCC on Top Layer "vcc" (solid, remove dead copper, pour order 1008): 25,25 25,1975 2475,1975 2475,25
+3.3B on Top Layer "3.3b" (solid, remove dead copper, pour order 1007): 2075,1350 2075,1450 1875,1450 1875,1385 1585,1385 1585,1680 1400,1680 1400,1725 1150,1725 1150,1975 1460,1975 1460,1774 2475,1775 2475,1350
GND on Bottom Layer "GND" (solid, remove dead copper, pour order 1009): 25,25 25,1975 2475,1975 2475,25
PGND on Bottom Layer "pgnd" (solid, remove dead copper, pour order 1006): 25,1975 25,1385 1175,1385 1175,1875 2475,1872 2475,1975
BGND on Bottom Layer "bgnd" (solid, remove dead copper, pour order 1005): 1390,1875 1390,1740 1650,1740 1650,1525 2055,1525 2055,1355 2475,1350 2475,1875

## Other copper
Top Layer:
  region: 321,685 345,685 345,677 329,677 329,661 353,661 353,669 425,669 425,661 417,661 417,653 529,653 529,645 457,645 457,637 393,637 393,653 377,653 377,645 337,645 337,637 297,637 297,629 265,629 265,637 273,637 273,645 257,645 257,637 49,637 49,645 33,645 33,653 89,653 89,661 113,661 113,669 129,669 129,677 177,677 177,685 193,685 193,677 217,677 217,685 313,685 313,693 321,693
  region: 89,605 97,605 97,589 105,589 105,573 113,573 113,565 121,565 121,557 129,557 129,549 137,549 137,541 145,541 145,533 153,533 153,525 169,525 169,517 185,517 185,509 201,509 201,501 281,501 281,509 305,509 305,517 321,517 321,525 361,525 361,517 377,517 377,509 369,509 369,501 353,501 353,493 345,493 345,485 329,485 329,477 313,477 313,469 281,469 281,461 209,461 209,469 177,469 177,477 161,477 161,485 145,485 145,493 129,493 129,501 121,501 121,509 113,509 113,517 105,517 105,525 97,525 97,533 89,533 89,541 81,541 81,549 73,549 73,565 65,565 65,581 57,581 57,605 49,605 49,621 89,621
  region: 281,853 305,853 305,845 329,845 329,837 345,837 345,829 353,829 353,821 369,821 369,813 377,813 377,805 369,805 369,813 361,813 361,805 313,805 313,813 289,813 289,821 201,821 201,813 177,813 177,805 161,805 161,797 153,797 153,789 137,789 137,781 129,781 129,773 121,773 121,757 113,757 113,749 105,749 105,733 97,733 97,717 89,717 89,685 65,685 65,677 49,677 49,717 57,717 57,741 65,741 65,757 73,757 73,773 81,773 81,781 89,781 89,789 97,789 97,797 105,797 105,805 113,805 113,813 121,813 121,821 129,821 129,829 145,829 145,837 161,837 161,845 177,845 177,853 209,853 209,861 281,861
Bottom Layer:
  pour cut-out: 1918,147 1928,137 1928,124 1931.05,124 1942.05,135 1942.05,156.95 1941,158
  pour cut-out: 2003.93,1281.67 2003.93,1309.72 2031.09,1336.88 2046,1335 2055,1333 2054.64,1310.98 2017.49,1273.84
  pour cut-out: 892.17,640.77 892.17,502.23 911.78,500.59 915.13,499.2 915.13,643.8
  pour cut-out: 1273,110 1273,22 1272,21 1274,19 1296,19 1296,109 1297,110

## Silkscreen, mask and mechanical layers (free items; w line width, h text height)
Top Overlay:
  drawing of 2 lines, arcs and shapes, not listed
  text "BPBE Module 4.0" at 77,1230 h40 r90
  text "Centaurus 3" at 197,1230 h40 r90
  text "Jonathan Nutzmann" at 137,1225 h40 r90
  text "-" at 382,1103 h100 r180
  text "+" at 2095,1073 h100 r270
Bottom Overlay:
  circle w20: c445.15,1753 r118.85
  circle w20: c741.15,1754 r118.85
  lines w15: 369,1663 534,1828 ; 665,1664 830,1829
  text "U" at 504,1738 h120
  text "RoHS" at 835,1729 h80
  text "L" at 434,1698 h120
Top Solder:
  drawing of 3 lines, arcs and shapes, not listed
Mechanical 1:
  the board outline again, w10